# KiCad board brownbox.kicad_pcb (continued)
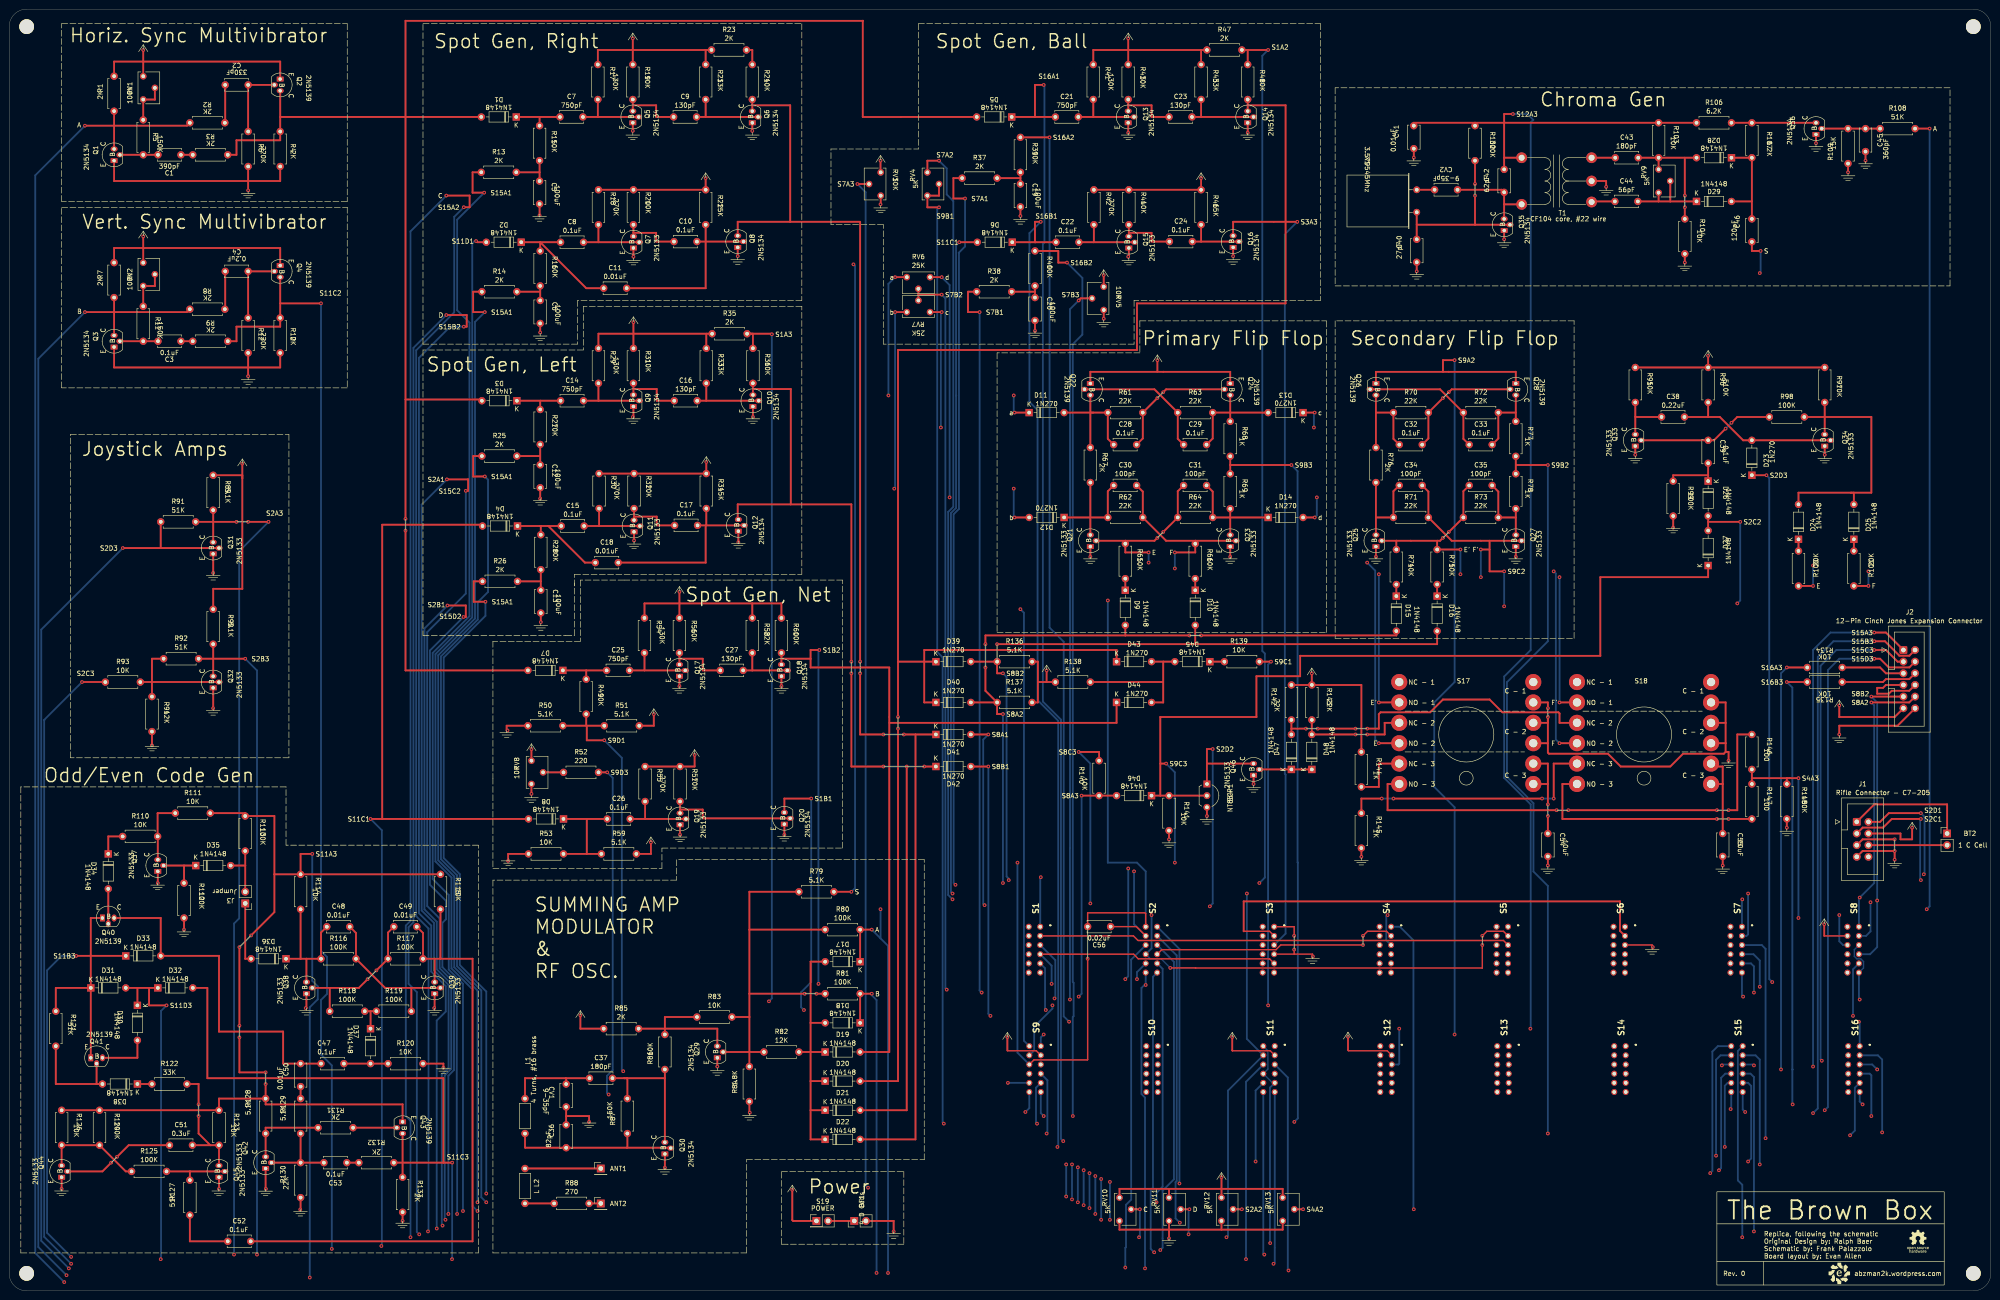
[diagram p0: board, top side]
## Placement (name value [footprint] x y rotation side) (continued)
R115  10K  [R_Axial_DIN0207_L6.3mm_D2.5mm_P7.62mm_Horizontal]  93.98 90.8 270 top
R116  100K  [R_Axial_DIN0207_L6.3mm_D2.5mm_P7.62mm_Horizontal]  67.95 72.39 0 top
R117  100K  [R_Axial_DIN0207_L6.3mm_D2.5mm_P7.62mm_Horizontal]  82.55 72.39 0 top
R118  100K  [R_Axial_DIN0207_L6.3mm_D2.5mm_P7.62mm_Horizontal]  69.85 60.96 0 top
R119  100K  [R_Axial_DIN0207_L6.3mm_D2.5mm_P7.62mm_Horizontal]  80.01 60.96 0 top
R120  10K  [R_Axial_DIN0207_L6.3mm_D2.5mm_P7.62mm_Horizontal]  82.55 49.53 0 top
R121  51K  [R_Axial_DIN0207_L6.3mm_D2.5mm_P7.62mm_Horizontal]  10.16 60.96 270 top
R122  33K  [R_Axial_DIN0207_L6.3mm_D2.5mm_P7.62mm_Horizontal]  31.11 45.08 0 top
R123  10K  [R_Axial_DIN0207_L6.3mm_D2.5mm_P7.62mm_Horizontal]  45.72 39.37 270 top
R124  100K  [R_Axial_DIN0207_L6.3mm_D2.5mm_P7.62mm_Horizontal]  19.69 39.37 270 top
R125  100K  [R_Axial_DIN0207_L6.3mm_D2.5mm_P7.62mm_Horizontal]  26.67 26.03 0 top
R126  10K  [R_Axial_DIN0207_L6.3mm_D2.5mm_P7.62mm_Horizontal]  11.43 39.37 270 top
R127  51K  [R_Axial_DIN0207_L6.3mm_D2.5mm_P7.62mm_Horizontal]  39.37 16.51 90 top
R128  5.1K  [R_Axial_DIN0207_L6.3mm_D2.5mm_P7.62mm_Horizontal]  55.88 34.29 90 top
R129  5.1K  [R_Axial_DIN0207_L6.3mm_D2.5mm_P7.62mm_Horizontal]  63.5 34.29 90 top
R130  22K  [R_Axial_DIN0207_L6.3mm_D2.5mm_P7.62mm_Horizontal]  63.5 20.32 90 top
R131  2K  [R_Axial_DIN0207_L6.3mm_D2.5mm_P7.62mm_Horizontal]  74.93 35.56 180 top
R132  2K  [R_Axial_DIN0207_L6.3mm_D2.5mm_P7.62mm_Horizontal]  83.82 27.94 180 top
R133  2K  [R_Axial_DIN0207_L6.3mm_D2.5mm_P7.62mm_Horizontal]  85.73 24.76 270 top
R134  10K  [R_Axial_DIN0207_L6.3mm_D2.5mm_P7.62mm_Horizontal]  399.42 135.89 180 top
R135  10K  [R_Axial_DIN0207_L6.3mm_D2.5mm_P7.62mm_Horizontal]  399.42 132.71 180 top
R136  5.1K  [R_Axial_DIN0207_L6.3mm_D2.5mm_P7.62mm_Horizontal]  215.26 137.16 0 top
R137  5.1K  [R_Axial_DIN0207_L6.3mm_D2.5mm_P7.62mm_Horizontal]  215.26 128.27 0 top
R138  5.1K  [R_Axial_DIN0207_L6.3mm_D2.5mm_P7.62mm_Horizontal]  227.97 132.71 0 top
R139  10K  [R_Axial_DIN0207_L6.3mm_D2.5mm_P7.62mm_Horizontal]  264.8 137.16 0 top
R140  10K  [R_Axial_DIN0207_L6.3mm_D2.5mm_P7.62mm_Horizontal]  237.49 115.57 270 top
R141  10K  [R_Axial_DIN0207_L6.3mm_D2.5mm_P7.62mm_Horizontal]  252.73 107.95 270 top
R142  22K  [R_Axial_DIN0207_L6.3mm_D2.5mm_P7.62mm_Horizontal]  279.4 132.08 270 top
R143  22K  [R_Axial_DIN0207_L6.3mm_D2.5mm_P7.62mm_Horizontal]  283.85 132.08 270 top
R144  1K  [R_Axial_DIN0207_L6.3mm_D2.5mm_P7.62mm_Horizontal]  294.64 117.47 270 top
R145  1K  [R_Axial_DIN0207_L6.3mm_D2.5mm_P7.62mm_Horizontal]  294.64 104.14 270 top
R146  100  [R_Axial_DIN0207_L6.3mm_D2.5mm_P7.62mm_Horizontal]  379.73 121.28 270 top
R147  100  [R_Axial_DIN0207_L6.3mm_D2.5mm_P7.62mm_Horizontal]  379.73 110.49 270 top
R148  150K  [R_Axial_DIN0207_L6.3mm_D2.5mm_P7.62mm_Horizontal]  387.35 110.49 270 top
REF1  -  [MountingHole_3.2mm_M3]  3.81 275.59 0 top
REF2  -  [MountingHole_3.2mm_M3]  427.99 275.59 0 top
REF3  -  [MountingHole_3.2mm_M3]  3.81 3.81 0 top
REF4  -  [MountingHole_3.2mm_M3]  427.99 3.81 0 top
RV1  100K  [Potentiometer_Bourns_3266W_Vertical]  29.21 264.78 90 top
RV2  100K  [Potentiometer_Bourns_3266W_Vertical]  29.21 224.14 90 top
RV3  10K  [Potentiometer_Bourns_3266W_Vertical]  189.91 238.74 270 top
RV4  5K  [Potentiometer_Bourns_3266W_Vertical]  200.07 243.82 90 top
RV5  10K  [Potentiometer_Bourns_3266W_Vertical]  238.5 213.82 270 top
RV6  25K  [Potentiometer_Bourns_3266W_Vertical]  200.66 220.98 0 top
RV7  25K  [Potentiometer_Bourns_3266W_Vertical]  195.58 213.36 180 top
RV8  10K  [Potentiometer_Bourns_3266W_Vertical]  113.8 115.57 90 top
RV9  5K  [Potentiometer_Bourns_3266W_Vertical]  359.41 244.47 90 top
RV10  5K  [Potentiometer_Bourns_3266W_Vertical]  241.94 20.32 90 top
RV11  5K  [Potentiometer_Bourns_3266W_Vertical]  252.73 20.32 90 top
RV12  5K  [Potentiometer_Bourns_3266W_Vertical]  264.16 20.32 90 top
RV13  5K  [Potentiometer_Bourns_3266W_Vertical]  277.5 20.32 90 top
S1  SW_Slide_4PDT  [MFS401N2Z_brownbox]  224.67 79.37 270 top
S2  SW_Slide_4PDT  [MFS401N2Z_brownbox]  250.15 79.37 270 top
S3  SW_Slide_4PDT  [MFS401N2Z_brownbox]  275.63 79.37 270 top
S4  SW_Slide_4PDT  [MFS401N2Z_brownbox]  301.12 79.37 270 top
S5  SW_Slide_4PDT  [MFS401N2Z_brownbox]  326.6 79.37 270 top
S6  SW_Slide_4PDT  [MFS401N2Z_brownbox]  352.09 79.37 270 top
S7  SW_Slide_4PDT  [MFS401N2Z_brownbox]  377.57 79.37 270 top
S8  SW_Slide_4PDT  [MFS401N2Z_brownbox]  403.06 79.37 270 top
S9  SW_Slide_4PDT  [MFS401N2Z_brownbox]  224.79 53.34 270 top
S10  SW_Slide_4PDT  [MFS401N2Z_brownbox]  250.28 53.34 270 top
S11  SW_Slide_4PDT  [MFS401N2Z_brownbox]  275.77 53.34 270 top
S12  SW_Slide_4PDT  [MFS401N2Z_brownbox]  301.26 53.34 270 top
S13  SW_Slide_4PDT  [MFS401N2Z_brownbox]  326.75 53.34 270 top
S14  SW_Slide_4PDT  [MFS401N2Z_brownbox]  352.24 53.34 270 top
S15  SW_Slide_4PDT  [MFS401N2Z_brownbox]  377.73 53.34 270 top
S16  SW_Slide_4PDT  [MFS401N2Z_brownbox]  403.23 53.34 270 top
S17  SW_Push_3PDT  [honeywell 3pdt switch]  317.5 121.28 0 top
S18  SW_Push_3PDT  [honeywell 3pdt switch]  356.24 121.28 0 top
S19  POWER  [PinHeader_2x01_P2.54mm_Vertical]  175.89 15.24 0 top
SCR1  NT854  [TO-92L_Inline_Wide]  260.99 110.49 270 top
T1  CF104 core, #22 wire  [brownbox_transformer]  337.19 241.94 0 top
TP1  ANT1  [PinHeader_1x01_P2.54mm_Vertical]  128.9 26.67 0 top
TP2  ANT2  [PinHeader_1x01_P2.54mm_Vertical]  128.9 19.05 0 top
X1  3.579545Mhz  [Crystal_HC49-U_Horizontal]  306.7 240.03 270 top

## Library data of the parts
BT1 BT2 = -: Description: Single-cell battery
C1-C4 C7-C11 C14-C18 C21-C53 C56 = -: Description: Unpolarized capacitor
D1-D48 = -: Description: 100V 0.15A standard switching diode, DO-35
J1 = -: Description: Generic connector, single row, 01x07, script generated (kicad-library-utils/schlib/autogen/connector/)
J2 = -: Description: Generic connector, single row, 01x12, script generated (kicad-library-utils/schlib/autogen/connector/)
L1 L2 = -: Description: Inductor
Q1 Q3 Q5-Q21 Q23 Q25 Q27 Q29-Q39 Q42 Q44-Q46 = -: Description: 0.2A Ic, 40V Vce, Small Signal NPN Transistor, TO-92
Q2 Q4 Q22 Q24 Q26 Q28 Q40 Q41 Q43 = -: Description: -0.2A Ic, -40V Vce, Small Signal PNP Transistor, TO-92
R1-R104 R106-R148 = -: Description: Resistor, US symbol
S1-S16 = -: Description: Momentary Switch, dual pole double throw
S17 S18 = -: Description: Push button switch, generic, symbol, four pins
S19 = -: Description: Single Pole Single Throw (SPST) switch
SCR1 = -: Description: 0.5A Ion, 200V Voff, Thyristors logic level, Silicon Controlled Rectifier (Thyristor), TO-92
T1 = -: Description: Transformer, single primary, split secondary
TP1 TP2 = -: Description: test point
X1 = -: Description: Two pin crystal, small symbol

## Footprints (pads in the part's own frame, mm; a bottom-side part is the same pattern mirrored in y, then rotated)
brownbox_transformer
  round 2.34 hole 1.3: 1(-7.62,5.08) 2(-7.62,-5.08) 3(7.62,-4.572) 4(7.62,0) 5(7.62,5.08)
C_Disc_D5.0mm_W2.5mm_P5.00mm
  round 1.6 hole 0.8: 1(0,0) 2(5,0)
Crystal_HC49-U_Horizontal
  round 1.5 hole 0.8: 1(0,0) 2(4.9,0)
D_DO-35_SOD27_P7.62mm_Horizontal
  rect 1.6x1.6 hole 0.8: 1(0,0)
  oval 1.6x1.6 hole 0.8: 2(7.62,0)
honeywell 3pdt switch
  round 3.5 hole 1.8: 1(-14.605,11.43) 2(14.605,11.43) 3(-14.605,6.985) 4(14.605,6.985) 5(-14.605,2.54) 6(14.605,2.54) 7(-14.605,-1.905) 8(14.605,-1.905) 9(-14.605,-6.35) 10(14.605,-6.35) 11(-14.605,-10.795) 12(14.605,-10.795)
IDC-Header_2x04_P2.54mm_Vertical
  rrect 1.7x1.7 hole 1: A(0,0)
  round 1.7 hole 1: B(2.54,0) C(0,-2.54) D(2.54,-2.54) E(0,-5.08) F(2.54,-5.08) H(0,-7.62) X(2.54,-7.62)
IDC-Header_2x06_P2.54mm_Vertical
  rrect 1.7x1.7 hole 1: A(0,0)
  round 1.7 hole 1: B(2.54,0) C(0,-2.54) D(2.54,-2.54) E(0,-5.08) F(2.54,-5.08) G(0,-7.62) H(2.54,-7.62) J(0,-10.16) K(2.54,-10.16) L(0,-12.7) M(2.54,-12.7)
L_Axial_L5.3mm_D2.2mm_P7.62mm_Horizontal_Vishay_IM-1
  round 1.6 hole 0.8: 1(0,0)
  oval 1.6x1.6 hole 0.8: 2(7.62,0)
MFS401N2Z_brownbox
  round 1.3 hole 0.8: A1(2,0) A2(0,0) A3(4,0) B1(8,0) B2(6,0) B3(10,0) C1(2,-2.5) C2(0,-2.5) C3(4,-2.5) D1(8,-2.5) D2(6,-2.5) D3(10,-2.5)
MountingHole_3.2mm_M3
  round 3.2 hole 3.2 unplated: (0,0)
PinHeader_1x01_P2.54mm_Vertical
  rect 1.7x1.7 hole 1: 1(0,0)
PinHeader_1x02_P2.54mm_Vertical
  rect 1.7x1.7 hole 1: 1(0,0)
  oval 1.7x1.7 hole 1: 2(0,-2.54)
PinHeader_2x01_P2.54mm_Vertical
  rect 1.7x1.7 hole 1: 1(0,0)
  oval 1.7x1.7 hole 1: 2(2.54,0)
Potentiometer_Bourns_3266W_Vertical
  round 1.44 hole 0.8: 1(0,0) 2(-2.54,-2.54) 3(-5.08,0)
R_Axial_DIN0207_L6.3mm_D2.5mm_P7.62mm_Horizontal
  round 1.6 hole 0.8: 1(0,0)
  oval 1.6x1.6 hole 0.8: 2(7.62,0)
TO-92_Offset_TO-106_EBC
  rect 1.05x1.5 hole 0.75: 1(0,0)
  oval 1.05x1.5 hole 0.75: 2(1.27,-1.27) 3(2.54,0)
TO-92L_Inline_Wide
  rect 1.5x1.5 hole 0.8: 1(0,0)
  round 1.5 hole 0.8: 2(2.54,0) 3(5.08,0)

## Nets
GNDREF: BT1.2 C5.2 C6.2 C12.2 C13.2 C19.2 C20.2 C36.2 C40.1 C41.1 C45.1 C54.2 C55.2 CV1.2 J1.E J1.H J2.M Q1.1 Q3.1 Q5.1 Q6.1 Q7.1 Q8.1 Q9.1 Q10.1 Q11.1 Q12.1 Q13.1 Q14.1 Q15.1 Q16.1 Q17.1 Q18.1 Q19.1 Q20.1 Q21.1 Q23.1 Q25.1 Q27.1 Q29.1 Q30.1 Q31.1 Q32.1 Q33.1 Q34.1 Q35.1 Q36.1 Q37.1 Q38.1 Q39.1 Q42.1 Q44.1 Q45.1 Q46.1 R4.2 R6.2 R10.2 R12.2 R50.1 R53.1 R84.1 R94.2 R99.2 R104.2 R109.1 R112.2 R120.2 R130.1 R133.2 R141.2 R145.2 R148.2 RV3.1 RV5.1 RV8.3 RV10.3 RV11.3 RV12.3 RV13.3 S3.A2 S3.B2 S6.A3 S17.4 S17.6 S17.8 S18.4 S18.6 S18.8 SCR1.3 T1.4
VCC: J1.D J2.L Q2.1 Q4.1 Q22.1 Q24.1 R1.2 R7.2 R17.1 R18.1 R19.1 R20.1 R21.1 R22.1 R23.1 R29.1 R30.1 R31.1 R32.1 R33.1 R34.1 R35.1 R41.1 R42.1 R43.1 R44.1 R45.1 R46.1 R47.1 R51.2 R54.1 R55.1 R56.1 R57.1 R58.1 R59.2 R60.1 R85.1 R89.1 R90.1 R95.1 R96.1 R97.1 R136.2 R137.2 R138.1 R142.1 R143.1 R144.1 RV1.1 RV2.1 RV3.3 RV5.3 RV8.1 RV10.1 RV11.1 RV12.1 RV13.1 S8.C1 S9.A1 S11.A1 S12.A1 S19.1
A: D17.1 Q1.3 R1.1 R2.2 R80.2 R108.2
a: D11.1 RV6.3
B: D18.1 Q3.3 R7.1 R8.2 R81.2
b: D12.2 RV7.1
C: RV10.2 S15.A2
c: D13.1 RV7.3
d: D14.2 RV6.1
D: RV11.2 S15.B2
E: C31.1 Q21.2 R64.1 R65.1 R100.1 S17.7
E': C35.1 Q25.2 R73.1 R74.1 R75.1 S17.3
F: C30.2 Q23.2 R62.2 R66.1 R101.1 S18.7
F': C34.2 Q27.2 R71.2 S9.C2 S18.3
S: C46.1 R79.2
S1A2: R47.2 R48.1 S1.A2
S1A3: R35.2 R36.1 S1.A3
S1B1: Q20.3 S1.B1
S1B2: D19.2 D44.1 Q18.3 R60.2 S1.B2 S3.B1
S2A2: RV12.2 S2.A2
S2A3: Q31.3 R89.2 R91.2 S2.A3
S2B3: Q32.3 R90.2 R92.2 S2.B3
S2C1: C56.2 J1.C S2.C1
S2C2: C56.1 D26.2 D27.1 D27.2 D46.1 R141.1 S2.C2 S9.C3 SCR1.2
S2C3: R93.1 S2.C3
S2D1: J1.B S2.D1
S2D2: Q46.3 S2.D2 S5.A1 SCR1.1
S2D3: D23.1 Q31.2 R91.1 S2.D3
S3A3: D20.2 D39.1 D40.1 D43.1 Q14.3 Q16.3 R48.2 S3.A3
S4A2: RV13.2 S4.A2
S4A3: R146.2 R147.1 R148.1 S4.A3
S7A1: R37.1 S7.A1
S7A2: RV4.1 S7.A2
S7A3: RV3.2 S7.A3
S7B1: R38.1 S7.B1
S7B2: RV6.2 RV7.2 S7.B2
S7B3: RV5.2 S7.B3
S8A1: D41.2 S8.A1
S8A2: D9.2 D15.2 D40.2 J2.K R137.1 S8.A2
S8A3: D46.2 R140.2 S8.A3 S8.B3
S8B1: D42.2 S8.B1
S8B2: D10.2 D16.2 D39.2 J2.J R136.1 S8.B2
S8C3: R140.1 S8.C3
S9A2: Q26.1 Q28.1 S9.A2
S9B1: RV4.2 RV4.3 S9.B1
S9B2: R77.2 R78.1 S9.B2
S9B3: R68.2 R69.1 S9.B3
S9C1: R139.2 S9.C1
S9D1: R49.2 R50.2 R51.1 S9.D1
S9D3: R52.2 S9.D3
S11A3: Q43.1 R111.2 R113.1 R114.1 R115.1 R123.1 R124.1 R126.1 R128.2 S11.A3
S11B3: D31.1 D33.1 Q40.1 Q41.1 R121.1 S11.B3
S11C1: D4.2 D6.2 D8.2 S11.C1
S11C2: Q4.3 R9.1 R10.1 S11.B1 S11.C2 S11.D2
S11C3: D32.2 Q43.3 R132.1 R133.1 S11.C3
S11D1: D2.2 S11.D1
S11D3: D30.1 D31.2 D32.1 S11.D3
S12A3: C41.2 C42.2 R102.1 R103.1 R106.1 S12.A3 T1.1
S15A1: R13.1 S15.A1
S15A3: J2.A S15.A3
S15B1: R14.1 S15.B1
S15B3: J2.B S15.B3
S15C1: R25.1 S15.C1
S15C2: S2.A1 S15.C2
S15C3: J2.C S15.C3
S15D1: R26.1 S15.D1
S15D2: S2.B1 S15.D2
S15D3: J2.D S15.D3
S16A1: C21.1 D5.1 S16.A1
S16A2: R39.1 S16.A2
S16A3: R134.2 S16.A3
S16B1: C22.1 D6.1 S16.B1
S16B2: R40.1 S16.B2
S16B3: R135.2 S16.B3
Net-(BT1-+): BT1.1 S19.2
Net-(BT2-+): BT2.1 J1.A
Net-(BT2--): BT2.2 J1.F
Net-(C1-Pad2): C1.2 R3.2
Net-(C2-Pad2): C2.2 R2.1
Net-(C3-Pad2): C3.2 R9.2
Net-(C4-Pad2): C4.2 R8.1
Net-(C5-Pad1): C5.1 R13.2 R15.2
Net-(C6-Pad1): C6.1 R14.2 R16.2
Net-(C12-Pad1): C12.1 R25.2 R27.2
Net-(C13-Pad1): C13.1 R26.2 R28.2
Net-(C19-Pad1): C19.1 R37.2 R39.2
Net-(C20-Pad1): C20.1 R38.2 R40.2
Net-(C37-Pad1): C37.1 CV1.1 L1.2
Net-(C50-Pad1): C50.1 R129.2
Net-(C52-Pad1): C52.1 R127.1
Net-(C53-Pad2): C53.2 R132.2
Net-(C54-Pad1): C54.1 S17.10 S17.12
Net-(C55-Pad1): C55.1 S18.10 S18.12
Net-(CV2-Pad2): CV2.2 X1.1
Net-(D1-A): D1.2 D3.2 D5.2 D7.2 Q2.3 R3.1 R4.1
Net-(D1-K): C7.1 D1.1 R15.1
Net-(D2-K): C8.1 C11.1 D2.1 R16.1
Net-(D3-K): C14.1 D3.1 R27.1
Net-(D4-K): C15.1 C18.1 D4.1 R28.1
Net-(D7-K): C25.1 D7.1 R49.1
Net-(D8-K): C26.1 D8.1 R53.2 R59.1
Net-(D9-K): D9.1 R65.2
Net-(D10-K): D10.1 R66.2
Net-(D11-A): C28.1 D11.2 Q22.3 R61.1 R67.1
Net-(D12-K): C30.1 D12.1 Q21.3 R62.1 R67.2
Net-(D13-A): C29.2 D13.2 Q24.3 R63.2 R68.1
Net-(D14-K): C31.2 D14.1 Q23.3 R64.2 R69.2
Net-(D15-K): D15.1 R74.2
Net-(D16-K): D16.1 R75.2
Net-(D17-A): D17.2 D18.2 D19.1 D20.1 D21.1 D22.1 R82.2
Net-(D21-A): D21.2 D42.1 Q10.3 Q12.3 R36.2
Net-(D22-A): D22.2 D41.1 Q6.3 Q8.3 R24.2
Net-(D23-A): C38.2 D23.2 Q34.2 R96.2
Net-(D24-A): D24.2 D25.2 Q34.3 R97.2 R98.2
Net-(D24-K): D24.1 R100.2
Net-(D25-K): D25.1 R101.2
Net-(D26-K): C39.2 D26.1 R99.1
Net-(D28-A): C43.2 D28.2 R103.2 R104.1 RV9.1
Net-(D28-K): C46.2 D28.1 D29.2 R107.2
Net-(D29-K): C44.2 D29.1 RV9.2 RV9.3
Net-(D30-A): D30.2 Q41.3
Net-(D33-A): C47.1 C50.2 D33.2 Q40.3
Net-(D34-A): D34.2 Q40.2
Net-(D34-K): D34.1 R110.1
Net-(D35-A): D35.2 J3.2 R113.2
Net-(D35-K): D35.1 Q37.2 R112.1
Net-(D36-A): D36.2 J3.1
Net-(D36-K): C48.1 D36.1 Q38.3 R114.2 R116.1
Net-(D37-A): C47.2 D37.2 R120.1
Net-(D37-K): D37.1 R118.2 R119.1
Net-(D38-A): D38.2 Q41.2 R121.2
Net-(D38-K): D38.1 R122.1
Net-(D43-A): D43.2 D44.2 D45.2 R138.2
Net-(D45-K): D45.1 R139.1
Net-(D47-A): D47.2 R142.2 S18.5
Net-(D47-K): D47.1 D48.1 Q46.2
Net-(D48-A): D48.2 R143.2 S17.5
Net-(J2-Pin_E): J2.E R134.1
Net-(J2-Pin_F): J2.F R135.1
Net-(J2-Pin_G): J2.G J2.H
Net-(L2-Pad1): L2.1 R88.1
Net-(L2-Pad2): L2.2 TP1.1
Net-(Q1-B): C1.1 Q1.2 R5.2
Net-(Q2-B): C2.1 Q2.2 R6.1
Net-(Q3-B): C3.1 Q3.2 R11.2
Net-(Q4-B): C4.1 Q4.2 R12.1
Net-(Q5-B): C7.2 Q5.2 R17.2
Net-(Q5-C): C9.1 Q5.3 R19.2
Net-(Q6-B): C9.2 Q6.2 R21.2
Net-(Q7-B): C8.2 Q7.2 R18.2
Net-(Q7-C): C10.1 Q7.3 R20.2
Net-(Q8-B): C10.2 C11.2 Q8.2 R22.2
Net-(Q9-B): C14.2 Q9.2 R29.2
Net-(Q9-C): C16.1 Q9.3 R31.2
Net-(Q10-B): C16.2 Q10.2 R33.2
Net-(Q11-B): C15.2 Q11.2 R30.2
Net-(Q11-C): C17.1 Q11.3 R32.2
Net-(Q12-B): C17.2 C18.2 Q12.2 R34.2
Net-(Q13-B): C21.2 Q13.2 R41.2
Net-(Q13-C): C23.1 Q13.3 R43.2
Net-(Q14-B): C23.2 Q14.2 R45.2
Net-(Q15-B): C22.2 Q15.2 R42.2
Net-(Q15-C): C24.1 Q15.3 R44.2
Net-(Q16-B): C24.2 Q16.2 R46.2
Net-(Q17-B): C25.2 Q17.2 R54.2
Net-(Q17-C): C27.1 Q17.3 R56.2
Net-(Q18-B): C27.2 Q18.2 R58.2
Net-(Q19-B): C26.2 Q19.2 R55.2
Net-(Q19-C): Q19.3 Q20.2 R57.2
Net-(Q22-B): C29.1 Q22.2 R63.1
Net-(Q24-B): C28.2 Q24.2 R61.2
Net-(Q25-C): C34.1 Q25.3 R71.1 R76.2
Net-(Q26-B): C33.1 Q26.2 R72.1
Net-(Q26-C): C32.1 Q26.3 R70.1 R76.1
Net-(Q27-C): C35.2 Q27.3 R73.2 R78.2
Net-(Q28-B): C32.2 Q28.2 R70.2
Net-(Q28-C): C33.2 Q28.3 R72.2 R77.1
Net-(Q29-B): Q29.2 R79.1 R80.1 R81.1 R82.1 R83.2 R84.2
Net-(Q29-C): Q29.3 R83.1 R85.2 R86.2
Net-(Q30-B): C36.1 L1.1 Q30.2 R87.1
Net-(Q30-C): C37.2 Q30.3 R86.1 R87.2
Net-(Q32-B): Q32.2 R92.1 R93.2 R94.1
Net-(Q33-B): C39.1 Q33.2 R98.1
Net-(Q33-C): C38.1 Q33.3 R95.2
Net-(Q35-B): C40.2 Q35.2 R102.2 X1.2
Net-(Q35-C): C42.1 CV2.1 Q35.3 T1.2
Net-(Q36-B): C45.2 Q36.2 R108.1 R109.2
Net-(Q36-C): Q36.3 R106.2 R107.1
Net-(Q37-C): Q37.3 R110.2 R111.1
Net-(Q38-B): C49.1 Q38.2 R117.1 R118.1
Net-(Q39-B): C48.2 Q39.2 R116.2 R119.2
Net-(Q39-C): C49.2 C52.2 Q39.3 R115.2 R117.2
Net-(Q42-B): C53.1 Q42.2 R129.1 R130.2
Net-(Q42-C): Q42.3 R128.1 R131.2
Net-(Q43-B): Q43.2 R131.1
Net-(Q44-B): C51.1 Q44.2
Net-(Q44-C): Q44.3 R124.2 R125.1 R126.2
Net-(Q45-B): Q45.2 R125.2 R127.2
Net-(Q45-C): C51.2 Q45.3 R122.2 R123.2
Net-(R5-Pad1): R5.1 RV1.2 RV1.3
Net-(R11-Pad1): R11.1 RV2.2 RV2.3
Net-(R23-Pad2): R23.2 R24.1
Net-(R52-Pad1): R52.1 RV8.2
Net-(R88-Pad2): R88.2 TP2.1
Net-(R144-Pad2): R144.2 S17.9
Net-(R145-Pad1): R145.1 S18.9
Net-(R146-Pad1): R146.1 S17.11
Net-(R147-Pad2): R147.2 S18.11
Net-(S1-PadA1): S1.A1 S5.A3
Net-(S2-PadB2): S2.B2 S4.A1
Net-(S3-PadA1): S3.A1 S6.A1
Net-(T1-SA): C44.1 T1.3
Net-(T1-SB): C43.1 T1.5

Pads without a net: J1 X; S1 B3 C1 C2 C3 D1 D2 D3; S3 B3 C1 C2 C3 D1 D2 D3; S4 B1 B2 B3 C1 C2 C3 D1 D2 D3; S5 A2 B1 B2 B3 C1 C2 C3 D1 D2 D3; S6 A2 B1 B2 B3 C1 C2 C3 D1 D2 D3; S7 C1 C2 C3 D1 D2 D3; S8 C2 D1 D2 D3; S9 A3 D2; S10 A1 A2 A3 B1 B2 B3 C1 C2 C3 D1 D2 D3; S11 A2 B2; S12 A2 B1 B2 B3 C1 C2 C3 D1 D2 D3; S13 A1 A2 A3 B1 B2 B3 C1 C2 C3 D1 D2 D3; S14 A1 A2 A3 B1 B2 B3 C1 C2 C3 D1 D2 D3; S16 C1 C2 C3 D1 D2 D3; S17 1 2; S18 1 2

## Via types
v1: diameter 0.8, hole 0.4, Top to Bottom, 458 vias

## Routing (per net, layer and track width the routed paths; a pad name or vN(x,y) marks a point on that pad's centre or on a via; arc(x,y) is an arc through that point)
GNDREF: length 474.1
  Top w0.3: S3.A2 279.98,79.37 280,79.35 v1(280,77.4) ; 280,73.4 284,73.4 284,72.96 v1(284.07,72.89) ; 280,73.4 v1(280,74.4) ; 280,73.4 275.66,73.4 S3.B2 ; v1(358.14,74.93) 358,75.07 358,75.4 352.11,75.4 S6.A3
  Top w0.4: 52.07,201.29 59.05,201.29 R10.2 ; 52.07,201.29 v1(52.07,199.39) ; 52.07,201.29 R12.2 ; 52.07,201.29 22.86,201.29 Q3.1 ; 373.38,94.61 v1(373.38,92.71) ; R4.2 59.05,241.94 52.07,241.94 ; Q46.1 v1(271.15,110.49) ; SCR1.3 v1(260.99,103.5) ; v1(108.72,93.73) 108.72,95.25 R53.1 ; R120.2 94.61,49.53 v1(94.61,48.64) ; 52.07,241.94 22.86,241.94 Q1.1 ; 52.07,241.94 R6.2 ; 52.07,241.94 v1(52.07,239.89) ; 115.57,236.85 v1(115.57,234.45) ; Q37.1 v1(32.38,88.9) ; 370.84,119.38 374.01,119.38 ; 374.01,119.38 374.01,117.47 ; 374.01,119.38 374.01,123.82 ; 252.73,13.33 v1(252.73,11.43) ; 252.73,13.33 264.16,13.33 ; 252.73,13.33 241.94,13.33 RV10.3 ; 252.73,13.33 RV11.3 ; v1(92.61,61.64) 92.71,61.74 Q39.1 ; v1(335.28,127) 335.28,128.27 S17.4 ; Q25.1 v1(297.81,160.02) ; 55.88,22.22 v1(55.93,22.22) 55.88,22.27 Q42.1 ; v1(410.85,98.42) 403.86,98.42 J1.E ; Q7.1 v1(136.02,225.42) ; R130.1 63.5,17.79 v1(63.43,17.72) ; S17.6 335.28,123.82 335.28,124.46 ; 243.98,225.42 v1(243.84,225.42) 243.98,225.56 Q15.1 ; R99.2 v1(362.59,166.37) ; Q35.1 v1(325.75,229.23) ; Q21.1 v1(235.59,160.02) ; 264.16,13.33 277.5,13.33 RV13.3 ; 264.16,13.33 RV12.3 ; 64.77,61.59 v1(64.61,61.63) 64.77,61.79 Q38.1 ; Q33.1 v1(354.33,182.24) ; RV5.1 v1(238.5,211.91) ; RV3.1 189.91,236.9 v1(189.87,236.85) 189.91,236.84 ; Q44.1 v1(11.43,22.22) ; 115.7,174.99 v1(115.7,172.72) ; Q36.1 v1(393.7,250.19) ; 112.85,123.19 108.4,123.19 108.4,122.17 ; Q30.1 v1(142.88,26.84) ; 223.52,211.45 v1(223.52,209.28) ; R94.2 v1(31.11,118.92) ; Q17.1 v1(146.05,131.81) ; 374.01,117.47 373.62,117.08 364.74,117.08 361.95,114.3 351.16,114.3 348.37,117.08 335.53,117.08 335.28,117.33 335.28,119.38 ; 374.01,117.47 374.65,117.47 v1(374.65,115.57) ; 121.36,38.1 126.36,38.1 126.36,36.85 ; 121.36,38.1 CV1.2 ; 121.36,38.1 C36.2 ; R133.2 v1(85.73,15.24) ; 374.01,123.82 374.01,128.27 S18.4 ; 374.01,123.82 S18.6 ; Q16.1 v1(266.7,225.56) ; J1.H 403.86,95.88 v1(410.85,95.88) v1(410.85,93.98) ; 115.7,210.82 v1(115.7,208.91) ; 113.8,110.17 v1(113.8,108.33) ; Q29.1 v1(154.31,48.89) ; Q31.1 v1(44.45,156.5) ; 335.28,124.46 335.28,119.38 ; 335.28,124.46 v1(335.28,125.09) ; 335.28,119.38 332.11,119.38 ; Q32.1 v1(44.45,127) ; R145.2 v1(294.64,94.61) ; C40.1 v1(306.7,222.25) ; C45.1 v1(404.5,246.38) ; Q5.1 v1(135.89,252.86) ; v1(347.98,240.66) 347.98,241.94 T1.4 ; R148.2 v1(387.35,100.96) ; Q6.1 v1(161.93,252.86) ; Q23.1 v1(266.06,160.02) ; Q10.1 v1(162.06,190.5) ; Q20.1 v1(168.91,99.42) ; Q13.1 v1(243.84,252.46) ; 115.84,147.68 v1(115.84,145.78) ; J2.M 411.48,123.19 398.78,123.19 v1(398.78,121.28) ; 365.12,226.06 v1(365.12,224.15) ; C19.2 v1(220.35,234.31) ; Q19.1 v1(146.19,99.44) ; Q27.1 v1(328.3,160.02) ; Q9.1 136.02,190.5 ; Q12.1 v1(158.88,163.19) ; Q11.1 v1(136.16,163.56) ; Q18.1 v1(168.27,131.81) ; BT1.2 192.73,15.24 v1(192.73,12.93) ; C41.1 v1(306.07,247.01) ; Q45.1 45.72,22.25 ; R141.2 v1(252.73,98.42) ; R112.2 v1(38.1,78.74) ; R109.1 v1(400.69,243.84) ; R84.1 161.29,38.93 ; Q34.1 v1(395.61,182.24) ; Q8.1 v1(158.75,225.56) ; Q14.1 v1(269.88,252.46) ; 335.28,94.61 v1(335.28,92.71)
  Bottom w0.3: v1(280,77.4) v1(280,74.4)
  Bottom w0.4: v1(410.85,98.42) v1(410.85,95.88) ; v1(335.28,127) v1(335.28,125.09)
  vias: v1(45.72,22.24) v1(108.58,122.17) v1(126.36,36.84) v1(135.89,190.5) v1(161.38,38.84)
VCC: length 680.9
  Top w0.3: 291.73,52.46 291.85,52.34 300.26,52.34 S12.A1 ; 266.56,52.34 274.77,52.34 S11.A1 ; 266.56,52.34 266.5,52.4 266.56,52.34 ; 217.5,52.4 217.56,52.34 223.79,52.34 S9.A1 ; 395.5,77.4 395.53,77.38 S8.C1
  Top w0.4: 29.21,227.33 59.05,227.33 Q4.1 ; 29.21,227.33 22.86,227.33 R7.2 ; 29.21,227.33 v1(29.21,229.87) ; 29.21,227.33 RV2.1 ; 291.73,52.46 v1(291.73,55.38) ; R29.1 128.4,208.64 136.02,208.64 ; v1(139.83,97.79) 139.83,95.25 R59.2 ; v1(113.8,118.11) RV8.1 ; R54.1 138.43,149.86 146.05,149.86 ; S19.1 170.81,15.24 170.63,15.42 v1(170.63,22.03) ; 50.8,177.16 50.8,153.03 44.45,153.03 R90.1 ; 50.8,177.16 v1(50.8,180.34) ; 50.8,177.16 50.8,177.8 R89.1 ; 136.02,208.64 151.9,208.64 ; 136.02,208.64 R31.1 ; 136.02,208.64 v1(136.02,211.19) ; Q24.1 266.06,200.34 235.59,200.34 Q22.1 ; J1.D 412.12,99.69 412.12,98.42 414.66,98.42 v1(414.66,100.96) ; 161.93,149.86 146.05,149.86 ; 161.93,149.86 R58.1 ; 161.93,149.86 168.27,149.86 R60.1 ; 146.05,149.86 R56.1 ; 146.05,149.86 v1(146.05,152.4) ; J2.L 410.85,125.09 398.78,125.09 v1(398.78,127.63) ; R136.2 224.16,137.16 224.16,132.71 ; 243.84,270.51 R43.1 ; 243.84,270.51 259.72,270.51 ; 243.84,270.51 236.22,270.51 R41.1 ; 243.84,270.51 v1(243.84,273.05) ; 151.9,208.64 R33.1 ; 151.9,208.64 R35.1 ; R17.1 128.27,270.51 135.89,270.51 ; v1(124.46,60.07) 124.46,57.15 R85.1 ; 252.73,22.22 264.16,22.22 ; 252.73,22.22 241.94,22.22 RV10.1 ; 252.73,22.22 RV11.1 ; 264.16,22.22 RV12.1 ; 264.16,22.22 277.5,22.22 RV13.1 ; 264.16,22.22 v1(264.16,24.76) ; 189.87,243.84 v1(189.87,246.38) ; R97.1 R96.1 ; R96.1 v1(370.2,203.83) ; R96.1 R95.1 ; 250.19,200.34 v1(250.19,202.88) ; R47.1 259.72,270.51 ; 259.72,270.51 R45.1 ; R137.2 224.16,128.27 224.16,132.71 ; R142.1 R143.1 ; R143.1 v1(283.85,134.62) ; R143.1 294.64,132.08 R144.1 ; 224.16,132.71 R138.1 ; v1(259.72,242.57) R46.1 R44.1 R42.1 ; 135.89,270.51 R19.1 ; 135.89,270.51 151.76,270.51 ; 135.89,270.51 v1(135.89,273.05) ; R30.1 R32.1 R34.1 v1(151.9,180.7) ; 217.5,52.4 v1(217.5,55.32) ; v1(140.47,125.73) 140.47,123.19 R51.2 ; R1.2 22.86,267.97 29.21,267.97 ; 151.76,270.51 R21.1 ; 151.76,270.51 R23.1 ; 266.5,52.4 v1(266.5,55.32) ; 226.06,132.71 v1(226.06,135.25) ; Q2.1 59.05,267.97 29.21,267.97 ; 29.21,267.97 v1(29.21,270.51) ; 29.21,267.97 RV1.1 ; v1(151.76,242.57) R22.1 R20.1 R18.1 ; R55.1 R57.1 149.36,114.3 v1(149.36,116.84) ; 395.5,77.4 v1(395.5,79.94) ; RV5.3 v1(238.5,221.44)
a: length 63.2
  Top w0.4: D11.1 v1(219.07,191.45) ; RV6.3 v1(193.04,220.98)
  In2.Cu w0.4: v1(191.59,195.19) v1(218.89,195.19)
  Bottom w0.4: v1(191.59,195.19) 191.59,219.53 v1(193.04,220.98) ; v1(219.07,191.45) 218.89,191.63 v1(218.89,195.19)
A: length 967.2
  Top w0.4: 22.86,254 38.73,254 R2.2 ; 22.86,254 Q1.3 ; 22.86,254 v1(16.51,254) ; 22.86,254 R1.1 ; R108.2 v1(418.47,253.36) ; v1(187.96,78.74) R80.2 D17.1
  In2.Cu w0.4: v1(191.5,3.9) 190.7,3.1 188.1,3.1 188.1,3.3 187.7,3.7 15.35,3.7 13.55,1.9 v1(12,1.9) ; v1(417.83,83.18) 417.11,83.9 375.69,83.9 375.45,84.14 269.33,84.14 267.99,85.48 225.81,85.48 224.48,84.14 215.58,84.14 214.63,83.19 214.63,83.18 v1(189.87,83.18)
  Bottom w0.4: v1(191.5,3.9) 191.5,75.2 189.87,76.83 ; 189.87,76.83 v1(189.87,83.18) ; 189.87,76.83 v1(187.96,78.74) ; v1(16.51,254) 5.68,243.17 5.68,8.22 v1(12,1.9) ; v1(417.83,83.18) 418.47,83.82 v1(418.47,253.36)
b: length 76.7
  Top w0.4: RV7.1 v1(193.04,213.36) ; D12.2 v1(219.07,168.59)
  In2.Cu w0.4: v1(192.86,174.87) v1(218.89,174.87)
  Bottom w0.4: v1(219.07,168.59) 218.89,168.77 v1(218.89,174.87) ; v1(192.86,174.87) 193.04,175.06 v1(193.04,213.36)
B: length 495.3
  Top w0.4: 22.86,213.36 38.73,213.36 R8.2 ; 22.86,213.36 R7.1 ; 22.86,213.36 v1(16.51,213.36) ; 22.86,213.36 Q3.3 ; v1(187.96,64.77) R81.2 D18.1
  In2.Cu w0.4: v1(189,3.9) 188.6,4.3 15.1,4.3 14.2,3.4 v1(12.5,3.4)
  Bottom w0.4: v1(12.5,3.4) 6.35,9.55 6.35,203.2 v1(16.51,213.36) ; v1(189,3.9) 189,63.4 187.96,64.44 v1(187.96,64.77)
c: length 114.9
  Top w0.4: RV7.3 v1(203.2,213.36) ; D13.1 v1(284.48,191.45)
  In2.Cu w0.4: v1(203.02,188.21) v1(284.3,188.21)
  Bottom w0.4: v1(284.48,191.45) 284.3,191.27 v1(284.3,188.21) ; v1(203.02,188.21) 203.02,213.18 v1(203.2,213.36)
C: length 967.5
  Top w0.4: v1(95.25,238.76) 100.33,238.76 100.33,236.22 v1(99.06,236.22) ; RV10.2 v1(246.38,17.78)
  In2.Cu w0.4: v1(87.45,11.68) 88.12,11.01 104.59,11.01 104.63,11.04 104.66,11.01 104.7,11.04 245.56,11.04 v1(246.2,11.68) ; v1(377.64,11.68) 267.15,11.68 266.35,12.48 258.1,12.48 257.46,13.12 244.91,13.12 244.04,12.25 194.76,12.25 193.28,13.73 192.4,13.73 190.98,12.31 91.89,12.31 v1(91.26,12.95)
  Bottom w0.4: v1(246.2,11.68) 246.38,11.86 v1(246.38,17.78) ; v1(95.25,238.76) 87.45,230.96 87.45,80.64 86.43,79.62 86.43,38.1 87.45,37.08 v1(87.45,11.68) ; v1(91.26,12.95) 91.37,13.06 91.37,78.99 88.68,81.68 88.68,205.03 96.97,213.32 96.97,234.13 v1(99.06,236.22) ; S15.A2 376.68,52.29 376.68,24.07 377.64,23.11 v1(377.64,11.68)
d: length 138.4
  Top w0.4: D14.2 v1(284.48,168.59) ; RV6.1 v1(203.2,220.98)
  In2.Cu w0.4: v1(204.92,172.97) v1(284.93,172.97)
  Bottom w0.4: v1(203.2,220.98) 204.92,219.26 v1(204.92,172.97) ; v1(284.93,172.97) 284.93,169.04 v1(284.48,168.59)
D: length 920
  Top w0.4: v1(99.06,210.19) 99.7,210.19 99.7,212.72 v1(95.25,212.72) ; RV11.2 v1(257.18,17.78)
  In2.Cu w0.4: v1(380.18,12.95) 377.78,12.95 377.11,12.28 267.82,12.28 267.02,13.08 258.35,13.08 257.71,13.71 244.42,13.71 243.55,12.84 195.01,12.84 193.53,14.33 192.15,14.33 190.77,12.95 98.28,12.95 98.24,12.91 93.83,12.91 v1(93.16,13.58) ; v1(256.99,12.31) 248.1,12.31 247.94,12.48 245.13,12.48 244.29,11.64 93.2,11.64 93.16,11.61 90.06,11.61 v1(89.35,12.31)
  Bottom w0.4: v1(93.16,13.58) 93.16,58.91 95.13,60.88 95.13,66.42 91.97,69.58 91.97,79.62 89.28,82.31 89.28,203.38 96.09,210.19 v1(99.06,210.19) ; S15.B2 379.45,47.34 380.18,46.6 v1(380.18,12.95) ; v1(95.25,212.72) 88.08,205.56 88.08,80.33 87.03,79.28 87.03,66.92 88.83,65.12 88.83,12.84 v1(89.35,12.31) ; v1(256.99,12.31) 256.99,17.6 v1(257.18,17.78)
E: length 235.2
  Top w0.4: C31.1 254.63,174.31 R64.1 v1(251.46,165.42) ; 302.9,119.38 v1(298.45,119.38) ; 243.2,163.51 R65.1 243.2,160.97 v1(248.29,160.97) ; 243.2,163.51 Q21.2 ; 243.2,163.51 249.56,163.51 v1(250.19,164.15) ; R100.1 v1(393.06,153.67)
  In2.Cu w0.4: v1(248.29,158.75) 367.74,158.75 368.3,159.31 372.11,159.31 373.31,158.11 v1(393.06,158.11)
  Bottom w0.4: v1(298.45,119.38) 297.65,120.18 297.65,157.01 v1(295.91,158.75) ; v1(251.46,165.42) v1(250.19,164.15) ; v1(248.29,158.75) v1(248.29,160.97) ; v1(393.06,153.67) v1(393.06,158.11)
E': length 91.8
  Top w0.4: C35.1 316.87,174.31 R73.1 v1(313.69,165.42) ; v1(312.42,164.15) 311.79,163.51 302.26,163.51 ; S17.3 v1(298.45,128.27) ; v1(316.23,161.61) R75.1 311.15,163.51 ; 302.26,163.51 R74.1 ; 302.26,163.51 Q25.2
  In2.Cu w0.4: v1(298.45,156.21) v1(316.23,156.21)
  Bottom w0.4: v1(298.45,128.27) v1(298.45,156.21) ; v1(316.23,156.21) v1(316.23,161.61) ; v1(313.69,165.42) v1(312.42,164.15)
F: length 240.1
  Top w0.4: 258.44,163.51 R66.1 258.44,160.97 v1(254,160.97) ; 258.44,163.51 Q23.2 ; 258.44,163.51 252.1,163.51 R62.2 247.01,174.23 C30.2 ; R101.1 v1(405.13,153.67) ; 341.63,119.38 v1(337.82,119.38)
  In2.Cu w0.4: v1(405.13,156.84) v1(336.55,156.84) 335.75,157.64 254.17,157.64 v1(254,157.48)
  Bottom w0.4: v1(336.55,156.84) 337.02,156.37 337.02,120.18 v1(337.82,119.38) ; v1(254,160.97) v1(254,157.48) ; v1(405.13,156.84) v1(405.13,153.67)
F': length 305.4
  Top w0.4: 322.58,161.61 322.58,156.84 v1(325.75,156.84) ; 322.58,161.61 v1(320.68,161.61) ; 322.58,161.61 322.58,163.51 ; Q27.2 314.32,163.51 R71.2 309.25,174.23 C34.2 ; S18.3 v1(337.82,128.27)
  In2.Cu w0.4: v1(337.82,155.57) v1(320.68,155.57) ; v1(220.35,148.59) 325.12,148.59 v1(325.75,149.22)
  Bottom w0.4: v1(337.82,128.27) v1(337.82,155.57) ; v1(320.68,155.57) v1(320.68,161.61) ; S9.C2 221.12,54.51 221.12,147.82 v1(220.35,148.59) ; v1(325.75,156.84) v1(325.75,149.22)
S: length 348.5
  Top w0.4: C46.1 379.73,226.69 v1(381.63,226.69) ; R79.2 v1(183.51,86.99)
  In2.Cu w0.4: v1(381.45,221.86) 381.04,221.45 304.8,221.45 302.9,223.35 184.38,223.35 v1(183.97,223.77)
  Bottom w0.4: v1(183.97,223.77) 184.31,223.42 184.31,87.79 v1(183.51,86.99) ; v1(381.45,221.86) 381.63,222.05 v1(381.63,226.69)
S1A2: length 250.8
  Top w0.4: 269.88,270.51 R47.2 ; 269.88,270.51 R48.1 ; 269.88,270.51 v1(274.32,270.51)
  In2.Cu w0.4: v1(224.79,90.17) 271.15,90.17 v1(272.42,88.9)
  Bottom w0.4: v1(274.32,270.51) 273.05,269.24 273.05,139.49 273.62,138.93 273.62,90.1 v1(272.42,88.9) ; S1.A2 224.67,90.05 v1(224.79,90.17)
S1A3: length 230.2
  Top w0.4: 161.74,208.64 166.07,208.64 v1(166.19,208.53) ; 161.74,208.64 162.06,208.64 R36.1 ; 161.74,208.64 R35.2
  In2.Cu w0.4: v1(227.78,63.75) 227.15,63.12 v1(165.55,63.12)
  Bottom w0.4: S1.A3 227.95,72.09 227.95,63.91 v1(227.78,63.75) ; v1(166.19,208.53) 166.19,63.75 v1(165.55,63.12)
S1B1: length 119.5
  Top w0.4: v1(174.76,107.31) 168.91,107.31 Q20.3
  In2.Cu w0.4: v1(173.17,61.21) v1(225.88,61.21)
  Bottom w0.4: v1(225.88,61.21) 225.72,61.37 225.72,70.32 S1.B1 ; v1(173.17,61.21) 172.56,61.83 172.56,65.1 174.76,67.31 v1(174.76,107.31)
S1B2: length 358.8
  Top w0.3: S1.B2 245.03,73.38 246.03,72.38 274.63,72.38 S3.B1
  Top w0.4: v1(176.53,139.7) 174.62,139.7 174.62,137.79 ; 174.62,137.79 168.27,137.79 ; 174.62,137.79 174.62,135.89 191.77,135.89 191.77,52.07 D19.2 ; 168.27,137.79 R60.2 ; 168.27,137.79 Q18.3 ; D44.1 241.3,123.82 191.77,123.82
  In2.Cu w0.4: v1(176.35,66.92) v1(227.15,66.92)
  Bottom w0.4: v1(227.15,66.92) 227.15,70.89 S1.B2 ; v1(176.35,66.92) 176.35,139.52 v1(176.53,139.7)
